# KiCad board KlokTHREEjr_old.kicad_pcb (continued)
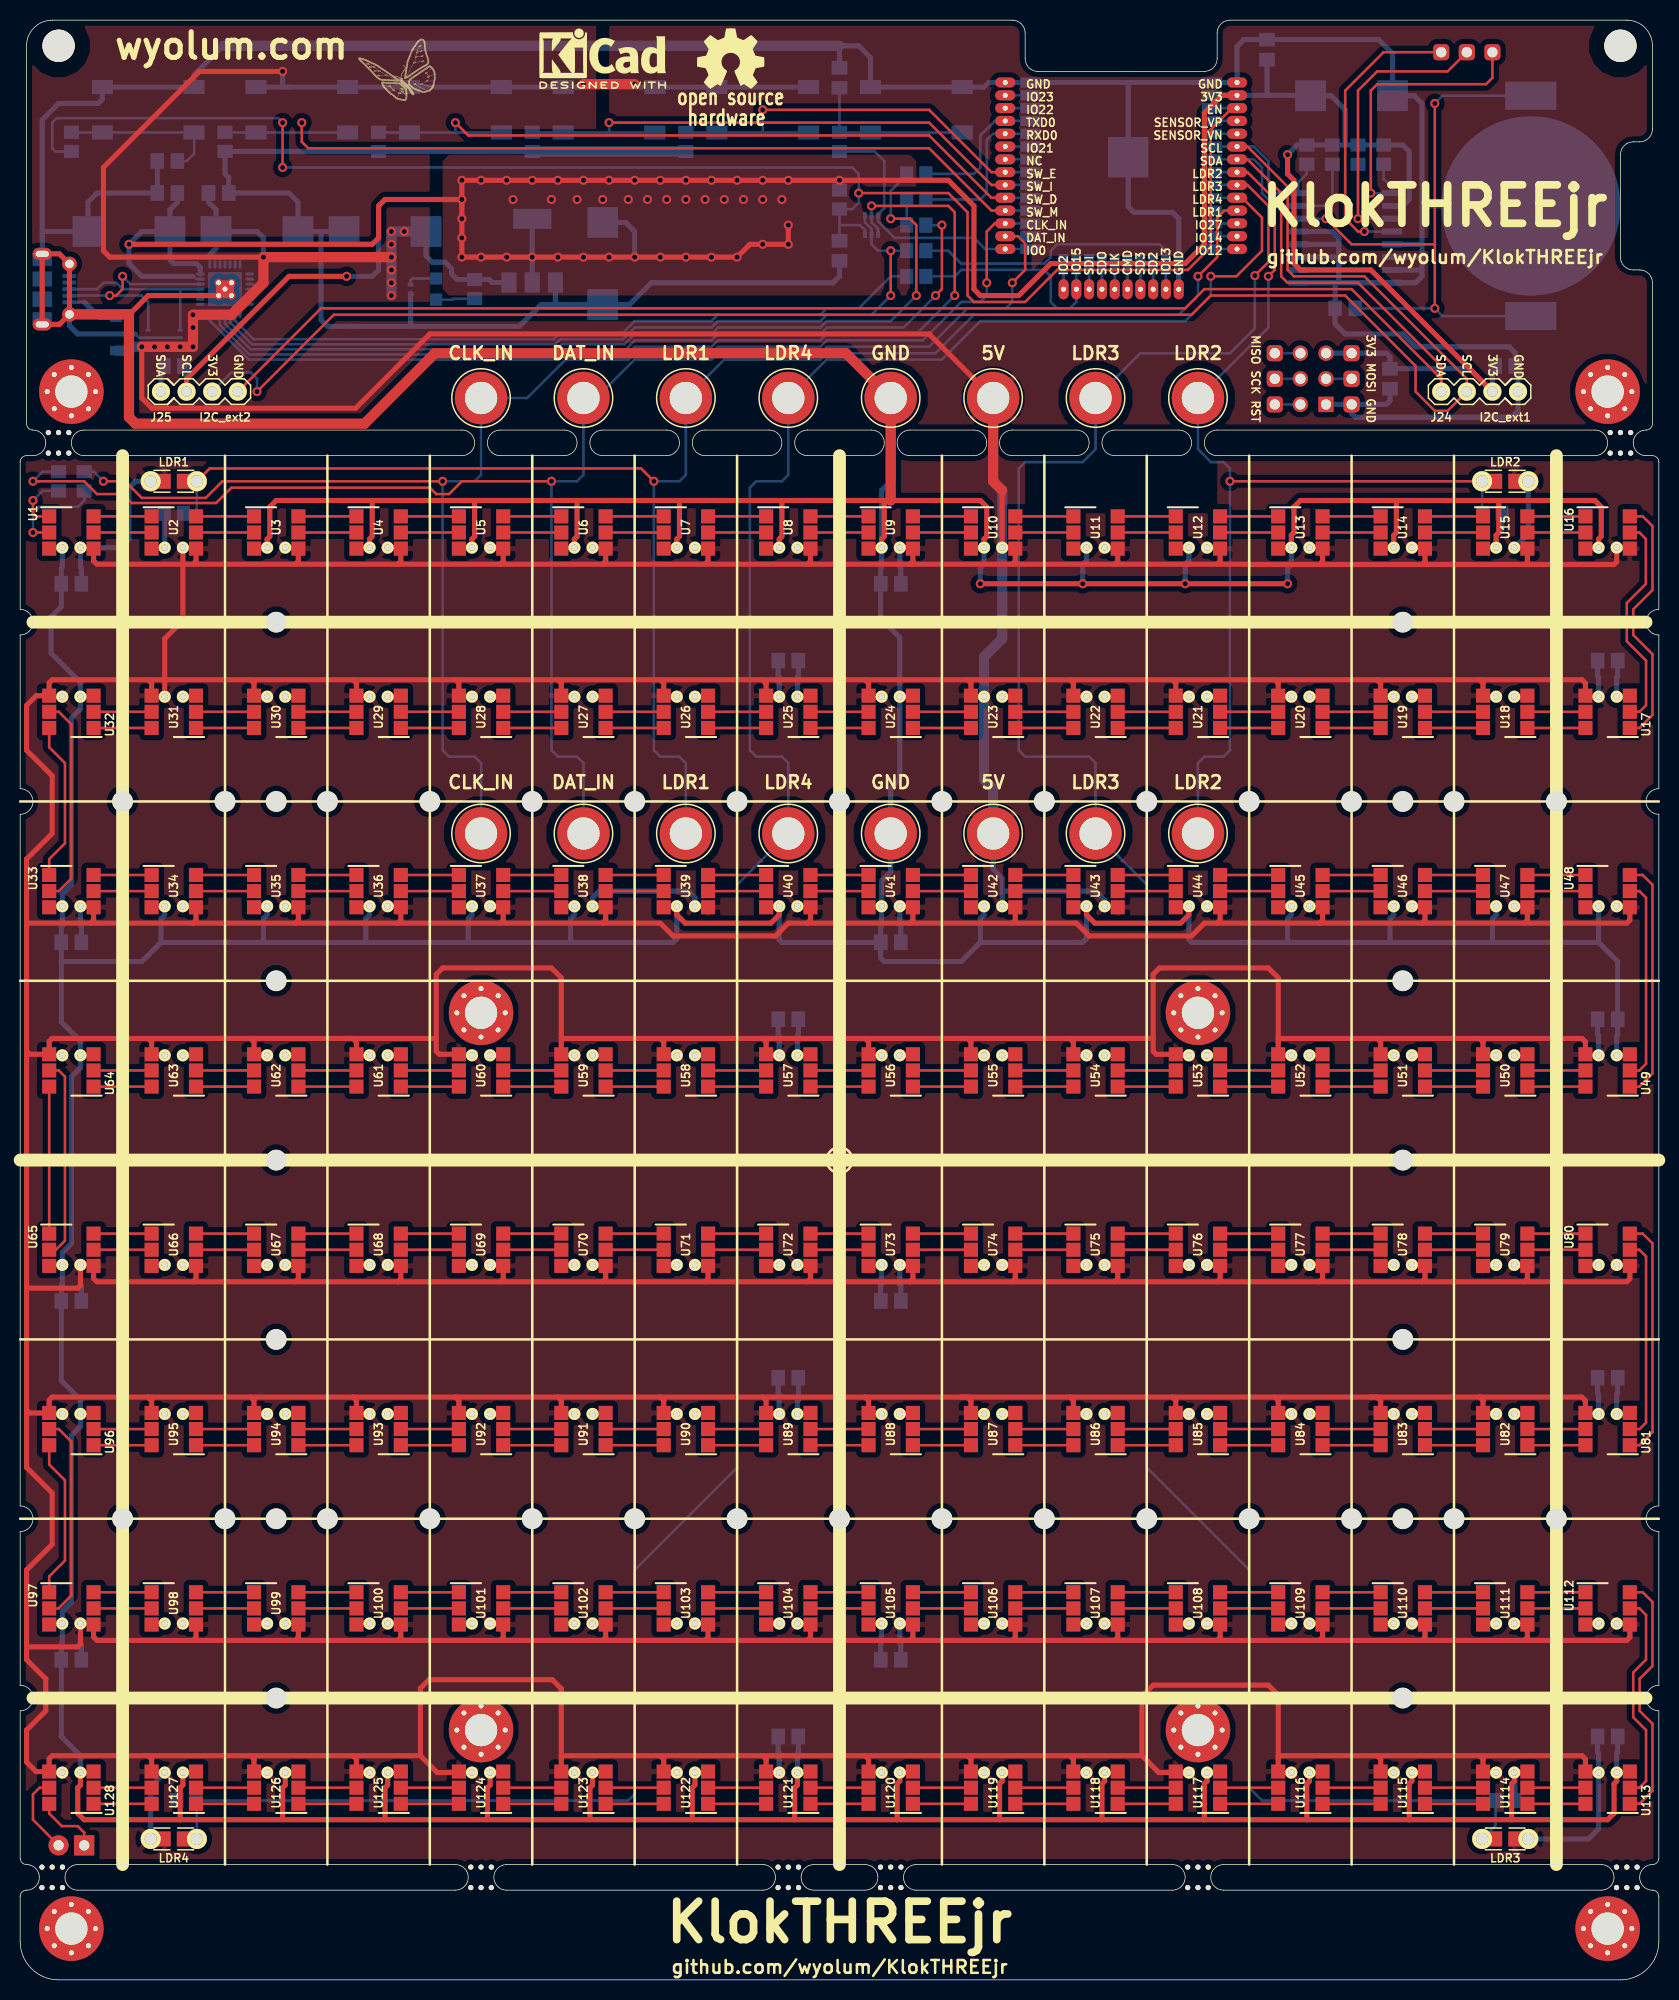
[diagram p0: board, top side]
## Routing (per net, layer and track width the routed paths; a pad name or vN(x,y) marks a point on that pad's centre or on a via; arc(x,y) is an arc through that point)
/3V3: length 368.2
  Top w0.508: U129.2 119.21,186.86 117.47,185.12 117.47,172.09 115.57,170.18 102.24,170.18 99.06,167 95.25,167 94.62,167.64 94.62,175.9 92.08,178.44 v1(81.28,178.44) v1(43.82,178.44) 43.82,175.9 ; v1(76.2,173.99) v1(76.2,172.09) 72.39,172.09 v1(71.12,170.81) v1(43.82,170.81) 43.82,175.9 ; J25.3 16.51,158.75 26.67,168.91 v1(32.38,168.91) ; 43.82,175.9 v1(43.82,176.53) 36.2,176.53 35.56,175.9 35.56,172.72 34.93,172.09 v1(10.8,172.09) ; v1(125.73,180.98) 125.73,179.07 126.37,178.44 126.37,170.18 127,169.55 133.99,169.55 J24.3
  Bottom w0.152: 17.15,168.91 17.41,168.64 U132.6
  Bottom w0.508: C31.1 16.51,159.75 J25.3 ; C23.1 12.06,173.36 v1(10.8,172.09) 10.8,170.18 12.06,168.91 17.15,168.91 ; C23.1 14.86,175.51 15.6,176.26 C24.1 ; C23.1 14.86,170.56 15.24,170.18 17.49,170.18 17.87,169.8 U132.7 ; J20.2 J18.1 135.53,161.29 135.89,160.93 C29.1 143.78,159.75 J24.3 146.05,159.75 C30.1 ; U131.2 U131.2 ; v1(43.82,176.53) 36.2,176.53 35.56,175.9 35.56,169.55 34.93,168.91 v1(32.38,168.91) ; C28.1 123.7,186.86 ; 123.7,186.86 127.97,186.86 ; 123.7,186.86 U129.2 U129.2 ; C27.1 130.05,186.82 131.45,185.42 131.45,181.93 ; v1(60.96,170.81) 60.96,173.36 60.07,174.24 C18.1 ; 131.45,181.93 R6.1 R7.1 137.16,181.93 137.8,181.29 137.8,176.53 137.16,175.9 U130.2 ; 131.45,181.93 R9.1 R8.1 126.68,181.93 v1(125.73,180.98) ; R3.1 v1(81.28,178.44) ; v1(50.8,170.81) v1(58.42,170.81)
  vias: v1(43.82,174.62) v1(43.82,172.72) v1(45.72,178.44) v1(45.72,170.81) v1(48.26,178.44) v1(48.26,170.81) v1(48.9,176.53) v1(50.8,178.44) v1(52.71,176.53) v1(53.34,178.44) v1(53.34,170.81) v1(55.24,176.53) v1(55.88,178.44) v1(55.88,170.81) v1(57.79,176.53) v1(58.42,178.44) v1(60.32,176.53) v1(60.96,178.44) v1(62.23,176.53) v1(63.5,178.44) v1(63.5,170.81) v1(64.13,176.53) v1(66.04,178.44) v1(66.04,176.53) v1(66.04,170.81) v1(67.94,176.53) v1(68.58,178.44) v1(68.58,170.81) v1(69.85,176.53) v1(71.12,178.44) v1(71.75,176.53) v1(73.66,178.44) v1(73.66,176.53) v1(73.66,172.09) v1(75.56,176.53) v1(76.2,178.44)
/5V: length 2296.8
  Top w0.508: 149.52,140.34 158.12,140.34 158.38,140.6 158.38,142.01 159.58,142.01 U16.4 ; 149.52,140.34 U15.4 149.42,142.01 148.22,142.01 ; 149.52,140.34 139.06,140.34 ; 0.63,56.52 0.94,56.21 U96.4 ; 0.63,56.52 0.63,50.8 3.18,48.26 3.18,43.18 0.63,40.64 0.63,33.02 ; 0.63,56.52 0.63,68.58 ; 108.59,33.66 118.75,33.66 ; 108.59,33.66 98.43,33.66 ; 108.59,33.66 108.88,33.95 U107.4 108.78,35.33 U107.4 ; 118.75,33.66 119.04,33.95 U108.4 118.94,35.33 U108.4 ; 118.75,33.66 128.91,33.66 ; 88.27,69.22 98.43,69.22 ; 88.27,69.22 88.56,69.51 U73.4 88.46,70.89 U73.4 ; 88.27,69.22 78.11,69.22 ; 98.43,69.22 108.59,69.22 ; 98.43,69.22 98.72,69.51 U74.4 98.62,70.89 U74.4 ; 128.91,33.66 129.2,33.95 U109.4 129.1,35.33 U109.4 ; 128.91,33.66 139.06,33.66 ; U96.4 2.98,56.11 U96.4 ; U96.4 2.88,57.49 3.18,57.79 12.7,57.79 ; 144.78,57.79 145.12,57.45 145.12,56.21 145.22,56.11 U82.4 ; 144.78,57.79 133.99,57.79 ; 144.78,57.79 154.91,57.79 155.28,57.42 155.28,56.21 155.38,56.11 U81.4 ; U50.4 145.22,91.67 145.12,91.77 145.12,93.01 144.78,93.35 ; 53.68,93.35 53.68,99.36 52.71,100.33 41.91,100.33 41.27,99.7 41.27,93.35 ; 53.68,93.35 U59.4 53.78,91.67 U59.4 ; 53.68,93.35 63.5,93.35 ; U24.4 84.26,127.23 84.16,127.33 84.16,128.56 83.82,128.91 ; 41.27,93.35 32.38,93.35 ; 41.27,93.35 41.27,92.08 41.58,91.77 U60.4 43.62,91.67 U60.4 ; 108.59,69.22 108.88,69.51 U75.4 108.78,70.89 U75.4 ; 108.59,69.22 118.75,69.22 ; 63.5,22.23 63.84,21.89 U122.4 63.94,20.55 U122.4 ; 63.5,22.23 73.66,22.23 ; 63.5,22.23 53.68,22.23 ; 93.98,128.91 104.14,128.91 ; 93.98,128.91 94.32,128.56 U23.4 94.42,127.23 U23.4 ; 93.98,128.91 83.82,128.91 ; 104.14,128.91 114.3,128.91 ; 104.14,128.91 104.48,128.56 U22.4 104.58,127.23 U22.4 ; 128.91,104.78 129.2,105.07 U45.4 129.1,106.45 U45.4 ; 128.91,104.78 118.75,104.78 ; 128.91,104.78 139.06,104.78 ; 22.86,22.23 33.02,22.23 ; 22.86,22.23 12.7,22.23 ; 22.86,22.23 23.2,21.89 U126.4 23.3,20.55 U126.4 ; 33.02,22.23 33.36,21.89 U125.4 33.46,20.55 U125.4 ; 33.02,22.23 39.7,22.23 ; 27.3,104.78 27.6,105.07 U35.4 27.5,106.45 U35.4 ; 27.3,104.78 37.46,104.78 ; 27.3,104.78 17.15,104.78 ; 17.15,140.36 17.44,140.66 U2.4 17.34,142.01 U2.4 16.14,134.78 14.34,132.98 U31.4 13.14,127.23 U31.4 13.04,128.56 12.7,128.91 ; 17.15,140.36 27.3,140.36 ; 17.15,140.36 7.62,140.36 7.28,140.7 U1.4 7.18,142.01 U1.4 ; U21.4 114.74,127.23 U21.4 114.64,128.56 114.3,128.91 ; 22.86,57.79 33.02,57.79 ; 22.86,57.79 12.7,57.79 ; 22.86,57.79 23.2,57.45 U94.4 23.3,56.11 U94.4 ; 33.02,57.79 43.18,57.79 ; 33.02,57.79 33.36,57.45 U93.4 33.46,56.11 U93.4 ; 128.91,140.34 129.2,140.63 U13.4 129.1,142.01 U13.4 ; 128.91,140.34 139.06,140.34 ; 128.91,140.34 121.88,140.34 121.86,140.36 118.75,140.36 ; 63.5,57.79 73.66,57.79 ; 63.5,57.79 63.84,57.45 U90.4 63.94,56.11 U90.4 ; 63.5,57.79 53.34,57.79 ; 73.66,57.79 74,57.45 U89.4 74.1,56.11 U89.4 ; 73.66,57.79 83.82,57.79 ; 124.8,93.35 124.8,99.36 123.83,100.33 113.03,100.33 112.4,99.7 112.4,93.35 ; 124.8,93.35 U52.4 124.9,91.67 U52.4 ; 124.8,93.35 134.62,93.35 ; 53.34,128.91 63.5,128.91 ; 53.34,128.91 53.68,128.56 U27.4 53.78,127.23 U27.4 ; 53.34,128.91 43.18,128.91 ; 63.5,128.91 63.84,128.56 U26.4 63.94,127.23 U26.4 ; 63.5,128.91 73.66,128.91 ; 111.28,22.23 104.14,22.23 ; 111.28,22.23 112.96,20.55 U117.4 114.74,20.55 U117.4 ; 111.28,22.23 111.28,28.1 112.41,29.22 123.81,29.22 124.8,28.24 124.8,22.23 ; 104.14,22.23 93.98,22.23 ; 104.14,22.23 104.48,21.89 U118.4 104.58,20.55 U118.4 ; U3.4 27.5,142.01 U3.4 27.6,140.66 27.3,140.36 ; 17.15,69.22 17.44,69.51 U66.4 17.34,70.89 U66.4 ; 17.15,69.22 7.62,69.22 7.28,69.56 U65.4 7.18,70.89 U65.4 5.98,68.85 5.72,68.58 0.63,68.58 ; 17.15,69.22 27.3,69.22 ; U104.4 78.3,35.33 U104.4 78.4,33.95 78.11,33.66 ; U32.4 1.6,127.33 0.63,126.37 0.63,121.92 3.18,119.38 3.18,113.67 0.63,111.12 0.63,104.78 ; U32.4 2.88,128.61 3.18,128.91 12.7,128.91 ; U32.4 2.98,127.23 U32.4 ; 67.94,33.66 78.11,33.66 ; 67.94,33.66 57.79,33.66 ; 67.94,33.66 68.24,33.95 U103.4 68.14,35.33 U103.4 ; 78.11,33.66 88.27,33.66 ; 93.34,57.79 93.95,57.79 94.32,57.42 U87.4 94.42,56.11 U87.4 ; 93.34,57.79 83.82,57.79 ; 93.34,57.79 104.14,57.79 ; 0.63,104.78 6.98,104.78 ; 0.63,104.78 0.63,92.08 ; U39.4 68.14,106.45 U39.4 ; U55.4 94.42,91.67 U55.4 94.32,93.01 93.98,93.35 ; 124.46,57.79 133.99,57.79 ; 124.46,57.79 124.8,57.45 U84.4 124.9,56.11 U84.4 ; 124.46,57.79 114.3,57.79 ; 133.99,57.79 134.59,57.79 134.96,57.42 U83.4 135.06,56.11 U83.4 ; 149.22,69.22 149.52,69.51 U79.4 149.42,70.89 148.22,70.89 ; 149.22,69.22 139.06,69.22 ; 149.22,69.22 159.39,69.22 159.68,69.51 U80.4 159.58,70.89 158.38,70.89 ; 46.62,70.89 47.82,70.89 47.92,70.79 47.92,69.51 47.63,69.22 ; 12.7,128.91 22.86,128.91 ; U64.4 0.94,91.77 0.63,92.08 ; U64.4 2.88,93.05 3.18,93.35 12.7,93.35 ; U64.4 2.98,91.67 U64.4 ; 73.66,22.23 83.82,22.23 ; 73.66,22.23 74,21.89 U121.4 74.1,20.55 U121.4 ; 83.82,93.35 73.66,93.35 ; 83.82,93.35 93.98,93.35 ; 83.82,93.35 84.16,93.01 84.16,91.77 84.26,91.67 U56.4 ; 73.66,93.35 63.5,93.35 ; 73.66,93.35 74,93.01 U57.4 74.1,91.67 U57.4 ; U92.4 43.62,56.11 U92.4 43.52,57.45 43.18,57.79 ; 56.78,142.01 57.98,142.01 U6.4 58.08,140.66 57.79,140.36 ; v1(26.04,189.23) 17.78,189.23 8.26,179.71 8.26,171.45 8.89,170.81 v1(24.13,170.81) ; LDR1.1 LDR1.1 ; 83.82,22.23 84.16,21.89 84.16,20.65 84.26,20.55 U120.4 ; 83.82,22.23 93.98,22.23 ; 17.15,104.78 17.44,105.07 U34.4 17.34,106.45 U34.4 ; 17.15,104.78 6.98,104.78 ; 0.63,33.02 5.72,33.02 5.98,33.29 U97.4 7.18,35.33 U97.4 7.28,34 7.62,33.66 17.15,33.66 ; 0.63,33.02 0.63,31.75 2.54,29.85 2.54,26.67 0.63,24.77 0.63,21.59 1.58,20.65 U128.4 ; 128.91,69.22 139.06,69.22 ; 128.91,69.22 129.2,69.51 U77.4 129.1,70.89 U77.4 ; 128.91,69.22 118.75,69.22 ; 139.06,69.22 139.36,69.51 U78.4 139.26,70.89 U78.4 ; 22.86,93.35 32.99,93.35 33.36,92.98 U61.4 33.46,91.67 U61.4 ; 22.86,93.35 23.2,93.01 U62.4 23.3,91.67 U62.4 ; 22.86,93.35 12.7,93.35 ; 98.43,33.66 98.72,33.95 U106.4 98.62,35.33 U106.4 ; 98.43,33.66 88.27,33.66 ; 37.46,33.66 37.76,33.95 U100.4 37.66,35.33 U100.4 ; 37.46,33.66 27.3,33.66 ; 37.46,33.66 47.63,33.66 ; 12.7,22.23 3.18,22.23 2.88,21.93 U128.4 ; 12.7,22.23 13.04,21.89 U127.4 13.14,20.55 U127.4 ; U116.4 124.9,20.55 U116.4 124.8,22.23 ; 0.63,68.58 0.63,92.08 ; 139.06,104.78 149.22,104.78 ; 139.06,104.78 139.36,105.07 U46.4 139.26,106.45 U46.4 ; 149.22,104.78 149.52,105.07 U47.4 149.42,106.45 148.22,106.45 ; 149.22,104.78 159.39,104.78 159.68,105.07 U48.4 159.58,106.45 158.38,106.45 ; 57.79,69.22 58.08,69.51 U70.4 57.98,70.89 56.78,70.89 ; 57.79,69.22 47.63,69.22 ; 57.79,69.22 67.94,69.22 ; 43.18,128.91 43.52,128.56 U28.4 43.62,127.23 U28.4 ; 43.18,128.91 33.02,128.91 ; 83.82,128.91 73.66,128.91 ; 6.98,104.78 7.28,105.07 U33.4 7.18,106.45 U33.4 ; 53.34,57.79 53.68,57.45 U91.4 53.78,56.11 U91.4 ; 53.34,57.79 43.18,57.79 ; 124.46,128.91 134.62,128.91 ; 124.46,128.91 114.3,128.91 ; 124.46,128.91 124.8,128.56 U20.4 124.9,127.23 U20.4 ; 134.62,128.91 134.62,128.88 134.96,128.54 U19.4 135.06,127.23 U19.4 ; 134.62,128.91 144.78,128.91 ; 12.7,57.79 12.7,57.76 13.04,57.42 U95.4 13.14,56.11 U95.4 ; U4.4 37.66,142.01 U4.4 37.76,140.66 37.46,140.36 ; 27.3,69.22 27.6,69.51 U67.4 27.5,70.89 U67.4 ; 27.3,69.22 37.46,69.22 ; 53.68,22.23 U123.4 53.78,20.55 U123.4 ; 53.68,22.23 53.68,28.87 52.79,29.76 40.55,29.76 39.7,28.91 39.7,22.23 ; 78.11,140.36 78.4,140.66 U8.4 78.3,142.01 U8.4 ; 78.11,140.36 88.27,140.36 ; 78.11,140.36 67.94,140.36 ; 144.78,93.35 134.62,93.35 ; 144.78,93.35 154.94,93.35 155.28,93.01 155.28,91.77 155.38,91.67 U49.4 ; 134.62,93.35 134.96,93.01 U51.4 135.06,91.67 U51.4 ; 57.79,33.66 58.08,33.95 U102.4 57.98,35.33 56.78,35.33 ; 57.79,33.66 47.63,33.66 ; U119.4 94.42,20.55 U119.4 94.32,21.89 93.98,22.23 ; 139.06,33.66 149.22,33.66 ; 139.06,33.66 139.36,33.95 U110.4 139.26,35.33 U110.4 ; U115.4 135.06,20.55 U115.4 134.96,21.89 134.62,22.23 ; 104.14,57.79 104.48,57.45 U86.4 104.58,56.11 U86.4 ; 104.14,57.79 114.3,57.79 ; U54.4 104.58,91.67 U54.4 104.48,93.01 104.14,93.35 ; U114.4 145.22,20.55 145.12,20.65 145.12,21.89 144.78,22.23 ; 139.06,140.34 139.36,140.63 U14.4 139.26,142.01 U14.4 ; 149.22,33.66 149.52,33.95 U111.4 149.42,35.33 148.22,35.33 ; 149.22,33.66 159.39,33.66 159.68,33.95 U112.4 159.58,35.33 158.38,35.33 ; U128.4 2.98,20.55 U128.4 ; 47.63,140.36 47.92,140.66 47.92,141.91 47.82,142.01 46.62,142.01 ; 47.63,140.36 57.79,140.36 ; 47.63,140.36 37.46,140.36 ; 88.27,140.36 88.56,140.66 U9.4 88.46,142.01 U9.4 ; 88.27,140.36 98.43,140.36 ; 112.4,93.35 112.4,92.08 112.7,91.77 U53.4 114.74,91.67 U53.4 ; 112.4,93.35 104.14,93.35 ; 108.59,140.36 118.75,140.36 ; 108.59,140.36 108.88,140.66 U11.4 108.78,142.01 U11.4 ; 108.59,140.36 98.43,140.36 ; 118.75,140.36 119.04,140.66 U12.4 118.94,142.01 U12.4 ; 37.46,69.22 37.76,69.51 U68.4 37.66,70.89 U68.4 ; 37.46,69.22 47.63,69.22 ; 118.75,104.78 119.04,105.07 U44.4 118.94,106.45 U44.4 ; 118.75,104.78 117.47,104.78 116.21,103.51 106.05,103.51 104.78,104.78 98.43,104.78 ; U88.4 84.26,56.11 84.16,56.21 84.16,57.45 83.82,57.79 ; 67.94,69.22 68.24,69.51 U71.4 68.14,70.89 U71.4 ; 67.94,69.22 78.11,69.22 ; 22.86,128.91 33.02,128.91 ; 22.86,128.91 23.2,128.56 U30.4 23.3,127.23 U30.4 ; 33.02,128.91 33.36,128.56 U29.4 33.46,127.23 U29.4 ; 57.79,104.78 58.08,105.07 U38.4 57.98,106.45 56.78,106.45 ; 57.79,104.78 63.5,104.78 64.77,103.51 74.93,103.51 76.2,104.78 78.11,104.78 ; 57.79,104.78 47.63,104.78 ; U76.4 118.94,70.89 U76.4 119.04,69.51 118.75,69.22 ; 134.62,22.23 144.78,22.23 ; 134.62,22.23 124.8,22.23 ; 144.78,22.23 154.94,22.23 155.28,21.89 155.28,20.65 155.38,20.55 U113.4 ; 27.3,33.66 27.6,33.95 U99.4 27.5,35.33 U99.4 ; 27.3,33.66 17.15,33.66 ; U7.4 68.14,142.01 U7.4 68.24,140.66 67.94,140.36 ; 46.62,35.33 47.82,35.33 47.92,35.23 47.92,33.95 47.63,33.66 ; 27.3,140.36 37.46,140.36 ; 93.98,93.35 104.14,93.35 ; 114.3,57.79 114.64,57.45 U85.4 114.74,56.11 U85.4 ; 144.78,128.91 154.94,128.91 155.28,128.56 155.28,127.33 155.38,127.23 U17.4 ; 144.78,128.91 145.12,128.56 145.12,127.33 145.22,127.23 U18.4 ; 57.79,140.36 67.94,140.36 ; 97.42,147.69 U10.4 98.62,142.01 U10.4 98.72,140.66 98.43,140.36 ; 88.27,33.66 88.56,33.95 U105.4 88.46,35.33 U105.4 ; 98.43,104.78 88.27,104.78 ; 98.43,104.78 98.72,105.07 U42.4 98.62,106.45 U42.4 ; U40.4 78.3,106.45 U40.4 78.4,105.07 78.11,104.78 ; 46.62,106.45 47.82,106.45 47.92,106.35 47.92,105.07 47.63,104.78 ; U36.4 37.66,106.45 U36.4 37.76,105.07 37.46,104.78 ; LDR3.1 LDR3.1 ; U63.4 13.14,91.67 U63.4 13.04,93.01 12.7,93.35 ; U72.4 78.3,70.89 U72.4 78.4,69.51 78.11,69.22 ; 17.15,33.66 17.44,33.95 U98.4 17.34,35.33 U98.4 ; 39.7,22.23 41.38,20.55 U124.4 43.62,20.55 U124.4 ; U43.4 108.78,106.45 U43.4 ; 63.5,93.35 63.84,93.01 U58.4 63.94,91.67 U58.4 ; LDR4.1 LDR4.1 ; 37.46,104.78 47.63,104.78 ; 88.27,104.78 88.56,105.07 U41.4 88.46,106.45 U41.4 ; 88.27,104.78 78.11,104.78 ; v1(12.06,161.93) 12.06,156.85 13.08,155.83 33.27,155.83 40.64,163.19 90.17,163.19 J7.1 ; LDR2.1 LDR2.1 ; 73.66,128.91 73.66,128.88 74,128.54 U25.4 74.1,127.23 U25.4
  Top w1.016: 97.42,147.69 96.52,148.59 J7.1 ; v1(36.83,170.81) v1(24.13,170.81) 24.13,168.27 20.96,165.1 v1(17.15,165.1) v1(17.15,161.93) v1(12.06,161.93) ; v1(55.88,187.96) v1(60.96,187.96)
  Bottom w0.152: U132.8 18.82,170.67 18.82,170.67 18.82,171.07
  Bottom w0.508: 48.5,168.28 U131.3 46.84,168.3 46.55,168.59 R4.1 43.37,168.59 42.8,169.16 42.8,169.67 42.16,170.31 40.89,170.31 40.26,170.94 C17.1 ; 148.22,142.01 149.61,143.4 LDR2.1 ; LDR4.1 12.95,19.16 U127.4 ; v1(26.04,189.23) 26.04,187.67 ; 26.04,187.67 S6.1 ; 26.04,187.67 S6.3 S5.1 S5.3 S2.1 55.59,187.67 v1(55.88,187.96) ; U81.4 156.58,58.05 156.48,58.15 C11.2 ; U33.4 5.98,104.51 6.08,104.41 C5.2 ; 18.82,171.07 19.43,171.68 C25.1 ; U97.4 5.98,33.39 6.08,33.29 C13.2 ; U17.4 156.58,129.17 156.48,129.27 C3.2 ; U25.4 75.3,129.17 75.2,129.27 C4.2 ; C1.2 6.08,139.97 5.98,140.07 U1.4 9.93,142.01 10.8,142.88 10.8,147.96 11.43,148.59 LDR1.1 ; U39.4 66.94,107.3 66.29,107.95 57.43,107.95 56.78,107.3 56.78,106.45 ; U41.4 87.26,104.61 87.36,104.51 C6.2 ; J15.1 96.52,110.13 97.42,109.23 97.42,107.95 ; 97.42,107.95 U42.4 ; 97.42,107.95 106.68,107.95 107.58,107.05 U43.4 ; U65.4 5.98,68.95 6.08,68.85 C9.2 ; C15.2 156.48,22.59 156.58,22.49 U113.4 156.58,14.98 155.58,13.97 LDR3.1 ; C26.1 18.68,176.26 19.43,175.51 C25.1 ; U73.4 87.26,68.95 87.36,68.85 C10.2 ; U49.4 156.58,93.61 156.48,93.71 C7.2 ; v1(60.96,187.96) 61.25,187.67 S1.1 S1.3 ; C16.2 75.2,22.59 75.3,22.49 U121.4 ; v1(24.13,170.81) 24.13,172.72 23.49,173.36 C25.1 ; C2.2 87.36,139.97 87.26,140.07 U9.4 ; C8.2 75.2,93.71 75.3,93.61 U57.4 ; C12.2 75.2,58.15 75.3,58.05 U89.4 ; C14.2 87.36,33.29 87.26,33.39 U105.4 ; v1(17.15,165.1) v1(17.15,161.93)
  Bottom w1.016: 9.52,161.55 10.8,161.55 11.18,161.93 v1(17.15,161.93) ; v1(36.83,167) v1(36.83,168.28) v1(36.83,169.55) v1(36.83,170.81) v1(36.83,172.09) v1(36.83,173.36) v1(38.1,173.36) C17.1 ; J15.1 96.52,118.11 95.62,119.01 U23.4 95.62,131.18 97.42,132.98 U10.4 97.42,147.69 96.52,148.59 J7.1
  vias: v1(13.34,161.93) v1(14.6,161.93) v1(15.88,161.93) v1(17.15,163.83)
GND: length 1696.2
  Top w0.508: U44.3 114.74,106.45 U44.3 115.94,105.6 115.11,104.78 106.61,104.78 105.78,105.6 U43.3 104.58,106.45 U43.3 ; U56.3 88.46,91.67 U56.3 ; 145.12,35.23 145.22,35.33 U111.3 ; U99.3 23.3,35.33 U99.3 ; U65.3 2.98,70.89 U65.3 ; 127.64,15.88 137.8,15.88 ; 127.64,15.88 127.64,19.44 127.9,19.7 U116.3 129.1,20.55 U116.3 ; 127.64,15.88 117.47,15.88 ; 137.8,15.88 147.96,15.88 ; 137.8,15.88 137.8,19.44 138.06,19.7 U115.3 139.26,20.55 U115.3 ; 46.62,56.11 47.82,56.11 47.92,56.21 ; U53.3 118.94,91.67 U53.3 ; U21.3 118.94,127.23 U21.3 ; 155.28,70.79 155.38,70.89 U80.3 ; U87.3 98.62,56.11 U87.3 ; 85.72,146.69 95.25,146.69 95.89,146.05 95.89,143.12 95.62,142.86 U10.3 94.42,142.01 U10.3 ; 85.72,146.69 75.56,146.69 ; 85.72,146.69 85.72,143.12 85.46,142.86 U9.3 84.26,142.01 84.16,141.91 ; 56.78,127.23 57.98,127.23 U27.3 ; 158.38,56.11 159.58,56.11 U81.3 ; U58.3 68.14,91.67 U58.3 ; 147.96,15.88 147.96,19.44 148.22,19.7 148.22,20.55 149.42,20.55 U114.3 ; 147.96,15.88 157.48,15.88 158.12,16.51 158.12,19.44 158.38,19.7 158.38,20.55 159.58,20.55 U113.3 ; U102.3 53.78,35.33 U102.3 ; U63.3 17.34,91.67 U63.3 ; U103.3 63.94,35.33 U103.3 ; U84.3 129.1,56.11 U84.3 ; U108.3 114.74,35.33 U108.3 ; U59.3 57.98,91.67 56.78,91.67 ; U7.3 63.94,142.01 U7.3 65.14,142.86 65.41,143.12 65.41,146.69 ; 97.16,15.88 87,15.88 ; 97.16,15.88 107.31,15.88 ; 97.16,15.88 97.16,19.44 97.42,19.7 U119.3 98.62,20.55 U119.3 ; 87,15.88 87,19.44 87.26,19.7 U120.3 88.46,20.55 U120.3 ; 87,15.88 76.84,15.88 ; v1(95.25,138.43) v1(105.41,138.43) v1(115.57,138.43) v1(125.73,138.43) ; 75.56,146.69 75.56,143.12 75.3,142.86 U8.3 74.1,142.01 U8.3 ; 75.56,146.69 65.41,146.69 ; 46.62,91.67 47.82,91.67 47.92,91.77 ; U95.3 17.34,56.11 U95.3 ; U49.3 159.58,91.67 158.38,91.67 ; U89.3 78.3,56.11 U89.3 ; U76.3 114.74,70.89 U76.3 ; U85.3 118.94,56.11 U85.3 ; 26.04,15.88 26.04,19.05 26.3,19.32 U126.3 27.5,20.55 U126.3 ; U30.3 27.5,127.23 U30.3 ; 84.16,70.79 84.26,70.89 U73.3 ; U32.3 7.18,127.23 U32.3 ; U39.3 63.94,106.45 U39.3 65.14,105.6 65.97,104.78 74.47,104.78 75.3,105.6 U40.3 74.1,106.45 U40.3 ; U68.3 33.46,70.89 U68.3 ; U93.3 37.66,56.11 U93.3 ; U69.3 43.62,70.89 U69.3 ; U75.3 104.58,70.89 U75.3 ; U35.3 23.3,106.45 U35.3 ; U22.3 108.78,127.23 U22.3 ; 55.24,146.69 55.24,143.12 54.98,142.86 U6.3 53.78,142.01 U6.3 ; 55.24,146.69 65.41,146.69 ; 55.24,146.69 45.09,146.69 ; 76.84,15.88 15.88,15.88 ; 76.84,15.88 76.84,19.05 77.1,19.32 U121.3 78.3,20.55 U121.3 ; U77.3 124.9,70.89 U77.3 ; U1.3 2.98,142.01 U1.3 ; U90.3 68.14,56.11 U90.3 ; U132.29 12.7,167 10.84,165.14 10.8,165.14 ; U132.29 U132.29 ; U132.29 U132.29 ; U132.29 U132.29 ; U132.29 U132.29 ; U132.29 U132.29 ; U132.29 U132.29 ; U132.29 U132.29 ; U107.3 104.58,35.33 U107.3 ; U71.3 63.94,70.89 U71.3 ; U23.3 98.62,127.23 U23.3 ; U86.3 108.78,56.11 U86.3 ; U83.3 139.26,56.11 U83.3 ; U24.3 88.46,127.23 U24.3 ; U17.3 159.58,127.23 158.38,127.23 ; 148.22,91.67 149.42,91.67 U50.3 ; U4.3 33.46,142.01 U4.3 34.66,142.86 34.93,143.12 34.93,146.69 ; 107.31,15.88 117.47,15.88 ; 107.31,15.88 107.31,19.44 107.58,19.7 U118.3 108.78,20.55 U118.3 ; U123.3 57.98,20.55 56.78,20.55 56.78,19.32 56.52,19.05 56.52,15.88 ; U66.3 13.14,70.89 U66.3 ; U88.3 88.46,56.11 U88.3 ; 46.35,15.88 46.35,19.05 46.62,19.32 46.62,20.55 47.82,20.55 47.92,20.65 ; U132.29 U132.29 ; U98.3 13.14,35.33 U98.3 ; U20.3 129.1,127.23 U20.3 ; U74.3 94.42,70.89 U74.3 ; 34.93,146.69 45.09,146.69 ; 34.93,146.69 25.4,146.69 24.77,146.05 24.77,143.12 24.5,142.86 U3.3 23.3,142.01 U3.3 ; 146.69,146.69 127,146.69 126.37,146.05 126.37,143.51 126.1,143.25 U13.3 124.9,142.01 U13.3 ; 146.69,146.69 156.21,146.69 156.84,146.05 156.84,143.12 156.58,142.86 U16.3 155.38,142.01 155.28,141.91 ; 146.69,146.69 146.69,143.51 146.42,143.25 U15.3 145.22,142.01 145.12,141.91 ; U96.3 7.18,56.11 U96.3 ; U125.3 37.66,20.55 U125.3 36.46,19.32 36.2,19.05 36.2,15.88 ; U61.3 37.66,91.67 U61.3 ; U11.3 104.58,142.01 U11.3 ; U79.3 145.22,70.89 145.12,70.79 ; 66.68,15.88 66.68,19.05 66.94,19.32 U122.3 68.14,20.55 U122.3 ; U25.3 78.3,127.23 U25.3 ; 47.92,127.33 47.82,127.23 46.62,127.23 ; 15.88,15.88 6.35,15.88 5.72,16.51 5.72,19.05 5.98,19.32 U128.3 7.18,20.55 U128.3 ; 15.88,15.88 15.88,19.05 16.14,19.32 U127.3 17.34,20.55 U127.3 ; U26.3 68.14,127.23 U26.3 ; U110.3 135.06,35.33 U110.3 ; U104.3 74.1,35.33 U104.3 ; U94.3 27.5,56.11 U94.3 ; U18.3 149.42,127.23 148.22,127.23 ; U55.3 98.62,91.67 U55.3 ; U19.3 139.26,127.23 U19.3 ; U42.3 94.42,106.45 U42.3 ; U33.3 2.98,106.45 U33.3 ; U52.3 129.1,91.67 U52.3 ; U106.3 94.42,35.33 U106.3 ; 148.22,56.11 149.42,56.11 U82.3 ; 56.78,56.11 57.98,56.11 U91.3 ; 155.28,106.35 155.38,106.45 U48.3 ; U100.3 33.46,35.33 U100.3 ; U31.3 17.34,127.23 U31.3 ; 117.47,15.88 117.47,19.44 117.74,19.7 U117.3 118.94,20.55 U117.3 ; U36.3 33.46,106.45 U36.3 ; 45.09,146.69 45.09,143.12 44.82,142.86 U5.3 43.62,142.01 U5.3 ; 84.16,106.35 84.26,106.45 U41.3 ; U45.3 124.9,106.45 U45.3 ; U38.3 53.78,106.45 U38.3 ; U72.3 74.1,70.89 U72.3 ; U46.3 135.06,106.45 U46.3 ; U62.3 27.5,91.67 U62.3 ; 155.28,35.23 155.38,35.33 U112.3 ; U12.3 114.74,142.01 U12.3 ; U109.3 124.9,35.33 U109.3 ; U105.3 84.26,35.33 84.16,35.23 ; U37.3 43.62,106.45 U37.3 ; U97.3 2.98,35.33 U97.3 ; U67.3 23.3,70.89 U67.3 ; U51.3 139.26,91.67 U51.3 ; U101.3 43.62,35.33 U101.3 ; U64.3 7.18,91.67 U64.3 ; U47.3 145.22,106.45 145.12,106.35 ; 136.53,146.69 136.53,143.51 136.26,143.25 U14.3 135.06,142.01 U14.3 ; U29.3 37.66,127.23 U29.3 ; U2.3 13.14,142.01 U2.3 ; U54.3 108.78,91.67 U54.3 ; U78.3 135.06,70.89 U78.3 ; U57.3 78.3,91.67 U57.3 ; U70.3 53.78,70.89 U70.3 ; U34.3 13.14,106.45 U34.3 ; P1.6 3.89,171.14 P1.6 P1.6 3.89,164.14 P1.6 P1.6
  Top w1.016: 86.36,146.69 J8.1 81.92,161.29 41.15,161.29 34.16,154.31 11.43,154.31 10.8,154.94 10.8,165.14 P1.6
  Bottom w0.152: U132.3 19.15,167.14
  Bottom w0.254: 11.43,163.19 11.8,162.82 D4.1 D3.1 ; P1.5 P1.6
  Bottom w0.508: R15.2 15.56,18.73 16.14,19.32 U127.3 ; U15.3 146.42,143.25 147,143.83 R13.2 ; C20.2 C24.2 7.62,177.17 6.73,176.28 C23.2 2.19,173.36 ; 44.45,102.87 44.45,105.23 44.82,105.6 U37.3 ; 44.45,102.87 54.61,102.87 ; 44.45,102.87 34.29,102.87 ; U132.29 U132.29 ; 135.89,102.87 125.73,102.87 ; 135.89,102.87 135.89,105.23 136.26,105.6 U46.3 ; 135.89,102.87 146.05,102.87 ; 125.73,102.87 116.21,102.87 115.94,103.14 U44.3 ; 125.73,102.87 125.73,105.23 126.1,105.6 U45.3 ; 130.81,170.81 130.81,172.09 ; 130.81,170.81 U130.11 ; 130.81,170.81 130.81,169.55 ; 130.81,172.09 130.81,172.72 130.18,173.36 U130.13 ; 130.81,172.09 U130.12 ; U131.1 53.1,166.36 53.34,166.12 ; 13.97,102.87 12.06,100.97 4.08,100.97 ; 13.97,102.87 13.97,105.23 14.34,105.6 U34.3 ; 13.97,102.87 24.13,102.87 ; U2.3 14.34,145.36 R12.2 ; 2.19,173.36 P1.6 P1.6 P1.6 P1.6 P1.6 P1.6 ; 2.19,173.36 2.19,184.44 3.81,186.06 7.74,186.06 8.15,186.46 S3.4 S3.2 17.25,188.88 20.14,191.77 ; U42.3 95.62,105.6 95.25,105.23 95.25,102.87 ; 38.74,163.96 30.48,163.96 29.85,164.59 29.85,173.36 ; 38.74,163.96 49.53,163.96 51.69,166.12 53.34,166.12 ; 38.74,163.96 JP1.1 ; U130.10 130.81,169.55 ; 130.81,169.55 130.81,168.28 ; 53.34,166.12 C18.2 60.45,166.12 62.61,168.28 80.65,168.28 81.28,168.91 C19.2 ; v1(115.57,138.43) 115.57,140.34 115.94,140.71 U12.3 ; 158.38,91.67 158.38,93.61 158.48,93.71 C7.1 158.48,100.97 156.58,102.87 ; 4.08,100.97 C5.1 4.08,104.41 4.18,104.51 U33.3 4.18,107.69 5.08,108.59 5.08,125.1 5.98,126 U32.3 5.98,128.64 3.07,131.55 3.07,135.15 4.08,136.16 C1.1 4.08,139.97 4.18,140.07 U1.3 ; 4.08,100.97 4.08,94.98 5.98,93.08 U64.3 5.98,90.44 5.08,89.54 5.08,73.03 4.18,72.12 U65.3 4.18,68.95 4.08,68.85 C9.1 4.08,59.42 5.98,57.52 U96.3 5.98,54.88 5.08,53.98 5.08,37.47 4.18,36.57 U97.3 4.18,33.39 4.08,33.29 C13.1 4.08,24.12 5.98,22.23 U128.3 ; C15.1 158.48,22.59 158.38,22.49 158.38,20.55 ; J23.1 135.53,156.21 135.89,156.57 C29.2 ; J23.1 132.08,155.31 132.45,154.94 147.96,154.94 148.59,155.58 J24.4 148.59,159.75 C30.2 148.32,161.3 147.7,161.93 138.43,161.93 137.16,163.19 131.45,163.19 130.45,164.19 C22.2 130.45,168.28 ; J23.1 J20.6 ; U48.3 156.58,102.87 ; 156.58,102.87 146.05,102.87 ; U121.3 77.1,22.49 77.2,22.59 C16.1 ; U132.29 U132.29 ; U132.29 U132.29 ; C21.2 81.28,191.77 83.19,191.77 84.35,190.61 S4.4 S4.2 95.59,187.67 96.06,188.13 U129.38 U129.38 109.86,188.13 ; 86.36,148.59 85.46,147.69 U9.3 85.46,140.07 85.36,139.97 C2.1 85.36,134.99 87.26,133.09 U24.3 87.26,119.01 86.36,118.11 J16.1 86.36,109.86 85.46,108.96 U41.3 85.46,104.51 85.36,104.41 C6.1 ; C31.2 13.97,159.75 13.97,157.48 ; C3.1 158.48,129.27 158.38,129.17 158.38,127.23 ; v1(105.41,138.43) 105.41,140.34 105.78,140.71 U11.3 ; U105.3 85.46,33.39 85.36,33.29 C14.1 ; U130.7 139.06,169.55 ; 139.06,169.55 139.06,168.91 138.43,168.28 U130.8 130.81,168.28 ; 139.06,169.55 139.06,170.81 ; BT1.2 139.06,175.9 ; 139.06,175.9 139.06,172.09 ; 139.06,175.9 139.06,186.06 138.3,186.82 C27.2 136.14,191.01 134.76,192.39 C28.2 121.4,192.39 120.72,191.71 U129.1 U129.1 109.86,188.13 ; 109.86,188.13 109.92,188.06 U129.39 109.92,175.83 110.49,175.26 114.3,175.26 114.94,174.62 U129.15 U129.15 ; 11.43,163.19 5.72,163.19 4.89,164.02 P1.6 ; 146.05,102.87 146.05,105.23 146.42,105.6 U47.3 ; 139.06,172.09 139.06,170.81 ; 139.06,172.09 U130.5 ; C12.1 77.2,57.52 77.1,57.42 U89.3 ; U13.3 126.1,140.34 125.73,139.97 v1(125.73,138.43) ; U73.3 85.46,68.95 85.36,68.85 C10.1 ; 34.29,102.87 34.29,105.23 34.66,105.6 U36.3 ; 34.29,102.87 24.13,102.87 ; 130.45,168.28 130.81,168.28 ; 130.45,168.28 U130.9 ; 95.25,102.87 93.34,100.97 85.72,100.97 85.36,101.33 C6.1 ; 95.25,102.87 105.41,102.87 105.78,103.24 U43.3 ; R14.2 148.27,20.5 148.22,20.55 ; 29.85,173.36 C17.2 ; 29.85,173.36 C25.2 27.56,176.28 26.67,177.17 C26.2 20.68,178.71 20.32,179.07 R25.2 R24.2 45.89,181.29 45.9,181.3 49.54,181.3 49.54,181.29 R11.2 ; U132.29 U132.29 19.15,167.14 ; 139.06,170.81 U130.6 ; U10.3 95.62,140.34 95.25,139.97 v1(95.25,138.43) ; U57.3 77.1,93.61 77.2,93.71 C8.1 ; U40.3 75.3,103.14 75.56,102.87 C6.1 ; U38.3 54.98,105.6 54.61,105.23 54.61,102.87 ; 24.13,102.87 24.13,105.23 24.5,105.6 U35.3 ; U39.3 65.14,103.24 64.77,102.87 54.61,102.87 ; C11.1 158.48,58.15 158.38,58.05 158.38,56.11 ; C4.1 77.2,129.27 77.1,129.17 U25.3
  Bottom w1.016: 86.36,148.59 J8.1 ; 20.14,191.77 81.28,191.77 ; R11.2 R10.2
